# Altium PCB KlusterLab r2.0.PcbDoc (part 20 of 22)
Units mm, origin at the board's own origin, x right, y up, seen from the top; angles counter-clockwise.
Board outline 232 x 250 mm, 12 copper layers (L1 Top, L2 Inner1 (GND), L3 Inner2 (Sig), L4 Inner3 (GND), L5 Inner4 (PWR), L6 Inner5 (PWR), L7 Inner6 (PWR), L8 Inner7 (PWR), L9 Inner8 (GND), L10 Inner9 (Sig), L11 Inner10 (GND), L12 Bottom), stack 1.614 mm thick; 1169 components, 852 nets, 4679 pads, 5115 vias.
Unrouted connection lines stored in the file: 1.
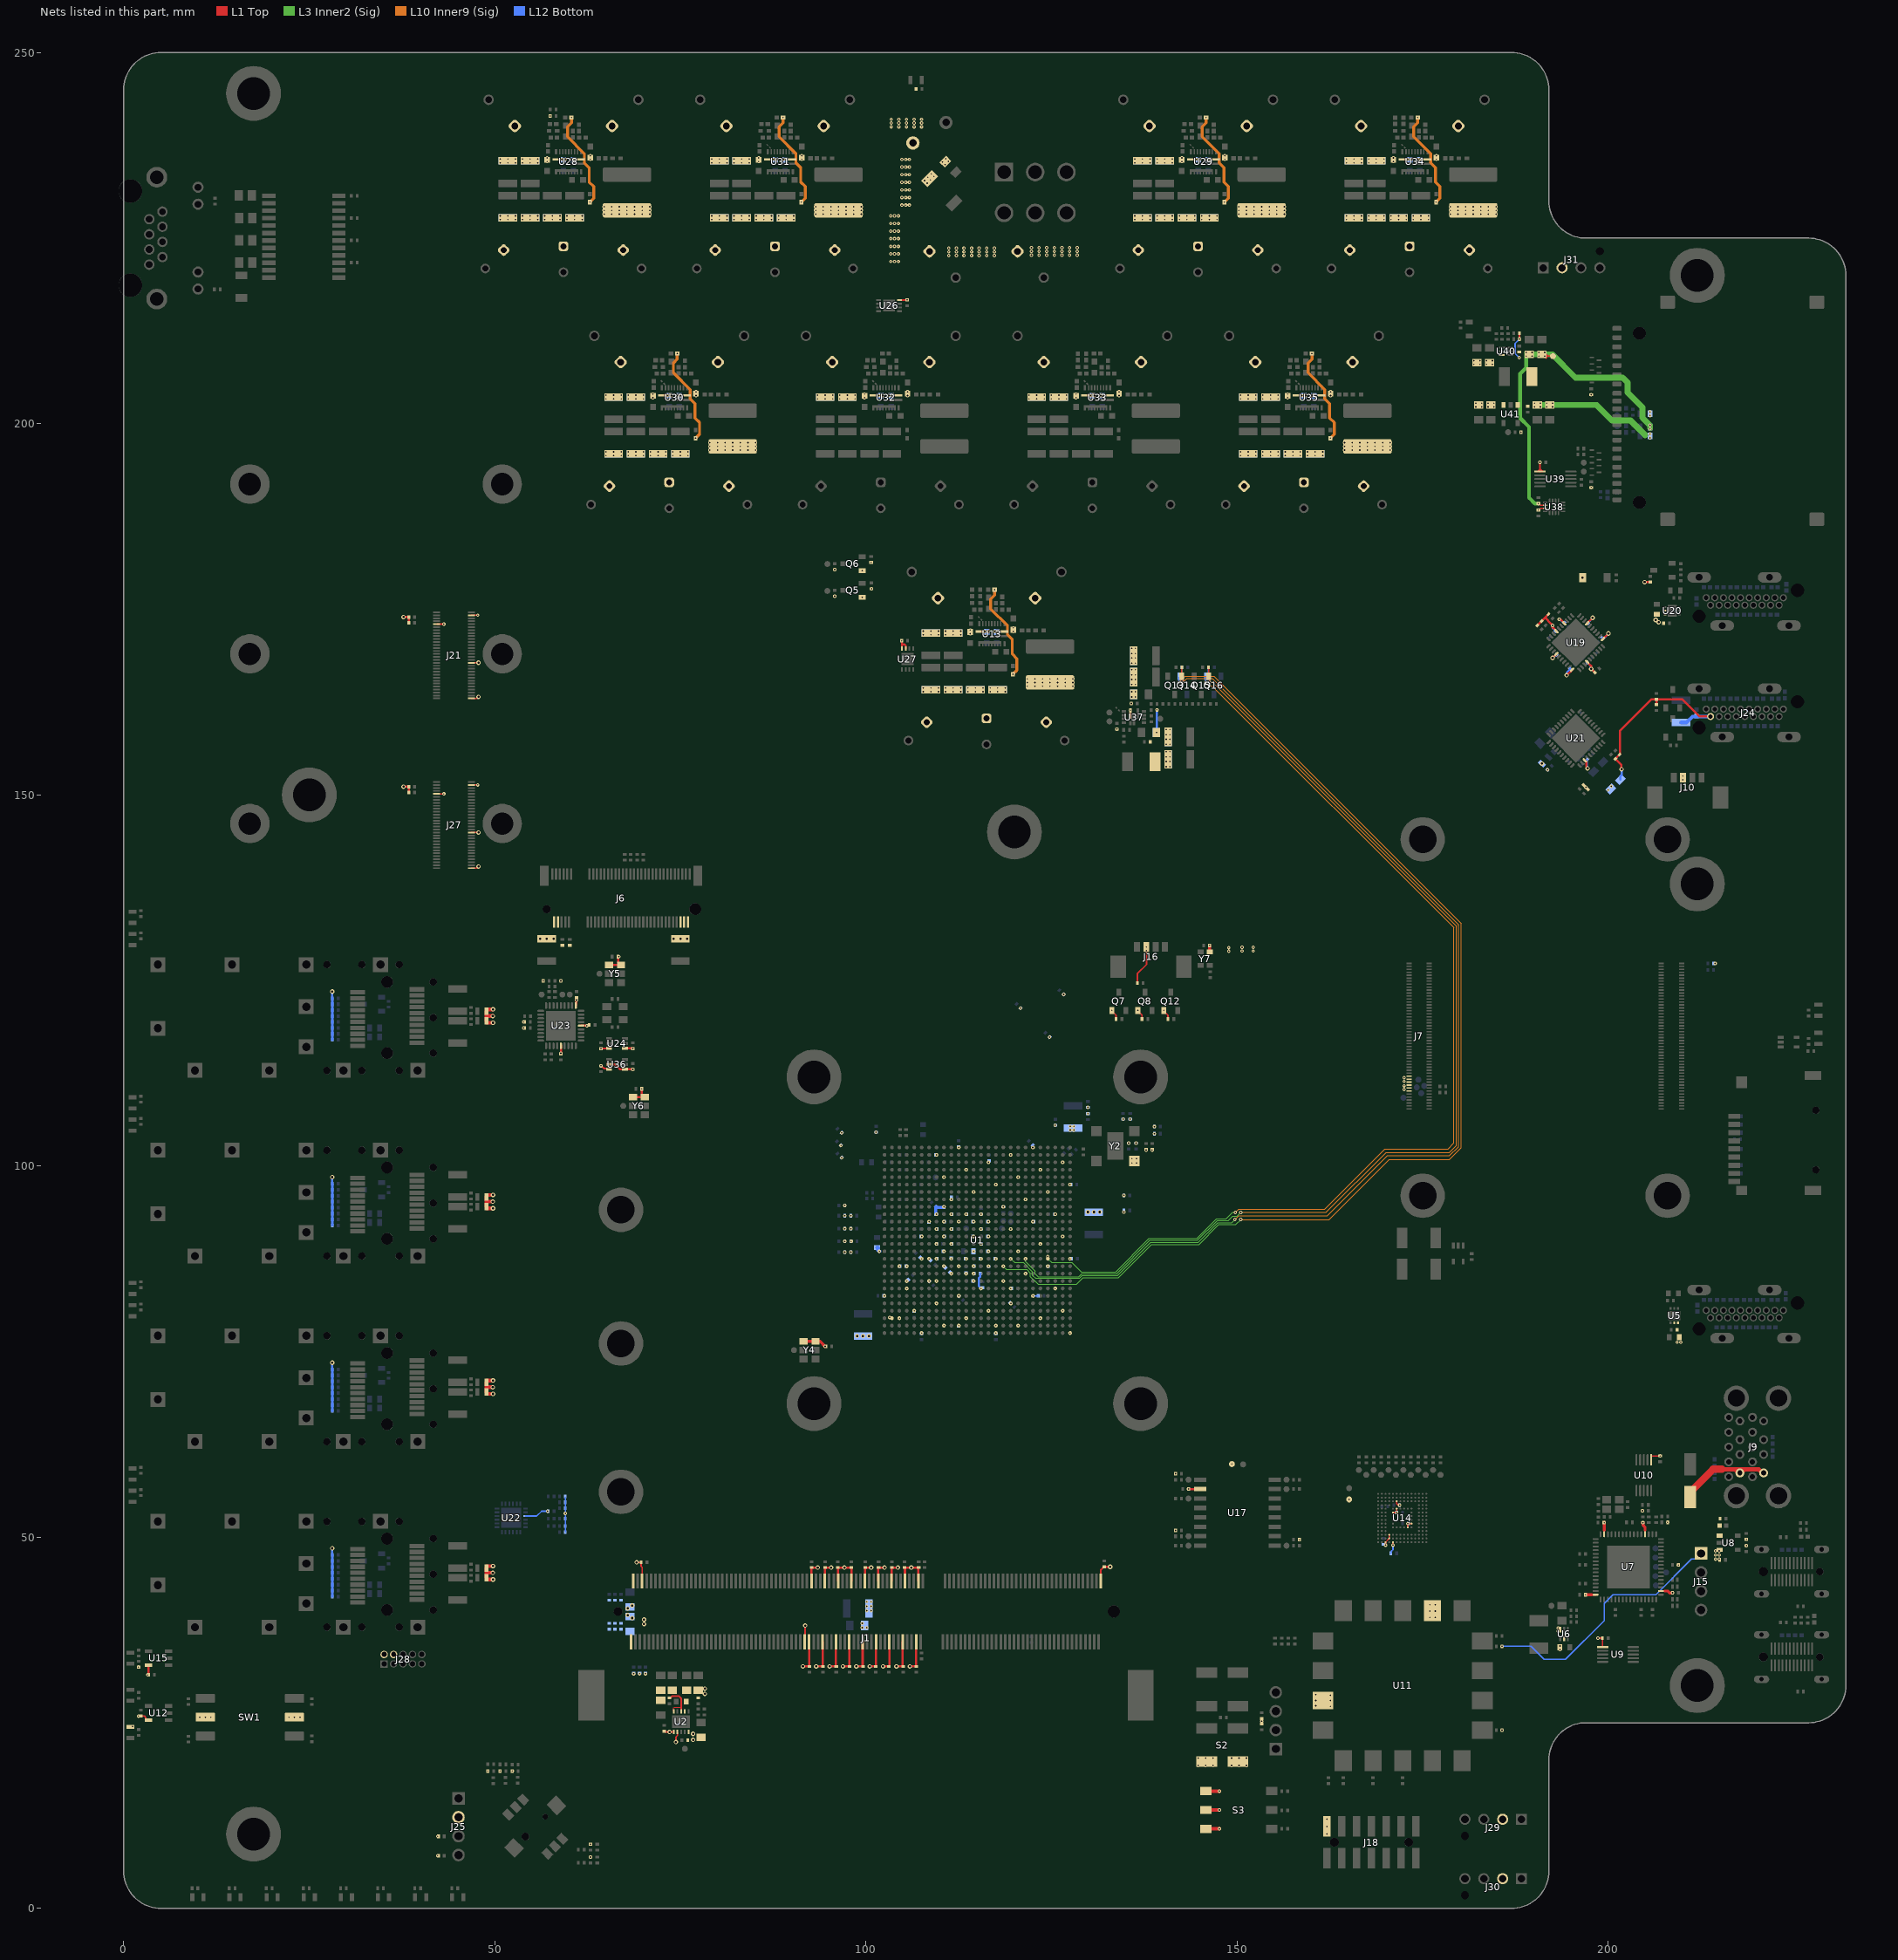
[diagram p30: the nets of this part, all layers, seen from the top]

## Via types
v1: diameter 0.45, hole 0.2, L1 Top to L12 Bottom, tented both sides, 4200 vias
v2: diameter 0.6, hole 0.3, L1 Top to L12 Bottom, tented both sides, 908 vias
v3: diameter 0.4, hole 0.2, L1 Top to L12 Bottom, tented both sides, 7 vias

## Nets (pads, with @x,y where several pads share a name; then routed paths per layer and width w, separated by ;. In a path a pad name is that pad's centre, name@x,y a point inside that pad or via, vN(x,y) a via of type N, cw(c..) or ccw(c..) an arc to the next point about the centre after c; other vN are vias at no path point) (continued)
VCC1V0_FPGA: C71.1 C72.1 C73.1 C74.1 C75.1 C107.1 C108.1 C109.1 C110.1 C120.1 C121.1 C122.1 C123.1 C124.1 C125.1 C126.1 C127.1 C128.1 C129.1 C130.1 C131.1 C132.1 C133.1 C134.1 C135.1 C136.1 C137.1 C138.1 C139.1 C140.1 C141.1 C142.1 C144.1 C145.1 C146.1 C149.1 C150.1 C151.1 C152.1 C153.1 C200.1 C201.1 C202.1 C203.1 C204.1 C209.1 C210.1 C211.1 C213.1 C220.1 C221.1 C222.1 C224.1 C228.1 C229.1 C230.1 C232.1 C260.1 C264.1 C265.1 L10.2 R289.2 U1.J9 U1.K8 U1.K10 U1.K12 U1.K14 U1.L9 U1.L13 U1.L15 U1.M8 U1.M14 U1.N9 U1.N13 U1.N15 U1.P14 U1.R13 U1.R15 U1.T12 U1.T14 U1.U13 U1.U15 | length 15.6
  L10 Inner9 (Sig) w0.4: v1(117.325,177.65) 117.325,176.913 116.8,176.388 116.8,175.05 119.061,172.789 119.061,171.555 119.709,170.908 119.709,168.966 120.325,168.35 120.325,166.775 v1(119.8,166.25)
  L12 Bottom w0.4: v1(109.5,93.5) 109.5,93.588 109.395,93.693 109.395,94.507 109.438,94.549 109.452,94.549 109.584,94.417 110.417,94.417 v1(110.5,94.5)
  other v1: 114.5,86.5 116.5,86.5 113.5,87.5 115.5,87.5 97.145,88.4 97.955,88.4 114.5,88.5 116.5,88.5 115.5,89.5 97.145,89.85 98.005,89.85 110.5,90.5 114.5,90.5 116.5,90.5 109.5,91.5 115.5,91.5 97.145,91.55 97.955,91.55 110.5,92.5 114.5,92.5 116.5,92.5 97.145,93.3 97.955,93.3 111.5,93.5 113.5,93.5 115.5,93.5 134.755,93.8 97.145,94.7 134.755,96.05 96.729,101.121 96.629,102.771 135.4,103.095 136.4,103.095 138.855,104.35 96.729,104.471 101.35,104.555 138.855,105.3 125.5,105.505 134.65,106.305 135.6,106.305 129.9,107.045 129.9,107.905 124.729,117.371 120.829,121.271 126.629,123.121 107.725,163.9 108.75,163.9 109.775,163.9 110.725,163.9 111.75,163.9 112.775,163.9 113.725,163.9 114.75,163.9 115.775,163.9 116.725,163.9 117.75,163.9 118.775,163.9 107.725,164.4 108.75,164.4 109.775,164.4 110.725,164.4 111.75,164.4 112.775,164.4 113.725,164.4 114.75,164.4 115.775,164.4 116.725,164.4 117.75,164.4 118.775,164.4 121.725,164.64 122.75,164.64 123.775,164.64 124.8,164.64 125.825,164.64 126.85,164.64 127.875,164.64 121.725,165.14 122.75,165.14 123.775,165.14 124.8,165.14 125.825,165.14 126.85,165.14 127.875,165.14 121.725,165.64 122.75,165.64 123.775,165.64 124.8,165.64 125.825,165.64 126.85,165.64 127.875,165.64
VCC1V5: C6.1 C7.1 C8.1 C18.1 C19.1 C21.1 C22.1 C23.1 C24.1 C25.1 C26.1 C27.1 C28.1 C29.1 C30.1 C31.1 C32.1 C33.1 C34.1 C35.1 C36.1 C37.1 C38.1 C39.1 C57.1 C58.1 C59.1 C212.1 C223.1 C231.1 C245.1 C253.1 C254.1 C271.1 C272.1 C274.1 C371.1 C372.1 C373.1 C374.1 C375.1 C378.1 C379.1 C380.1 C381.1 C383.1 C384.1 C385.1 J1.75 J1.76 J1.81 J1.82 J1.87 J1.88 J1.93 J1.94 J1.99 J1.100 J1.105 J1.106 J1.111 J1.112 J1.117 J1.118 J1.123 J1.124 L15.2 R2.1 R3.2 R6.2 R8.2 R14.2 R245.2 U1.AA1 U1.AA11 U1.AB8 U1.AB18 U1.AC5 U1.AC15 U1.AD2 U1.AD12 U1.AE9 U1.AE19 U1.AF6 U1.AF16 U1.U3 U1.V10 U1.W7 U1.W17 U1.Y4 U1.Y14 U2.2 | length 76.6
  L1 Top w0.3: v2(91.5,32.6) 91.502,32.598 92.297,32.598 92.3,32.595 92.31,32.595 92.35,32.635 J1.124@92.35,35.9 ; J1.123@92.65,44.1 92.65,45.865 92.69,45.905 C34.1@92.7,45.905 92.703,45.903 93.498,45.903 v2(93.5,45.9) ; v2(93.3,32.6) 93.302,32.598 94.097,32.598 94.1,32.595 94.11,32.595 94.15,32.635 J1.118@94.15,35.9 ; J1.117@94.45,44.1 94.45,45.865 94.49,45.905 C33.1@94.5,45.905 94.503,45.903 95.298,45.903 v2(95.3,45.9) ; v2(95.1,32.6) 95.102,32.598 95.897,32.598 95.9,32.595 95.91,32.595 95.95,32.635 J1.112@95.95,35.9 ; J1.111@96.25,44.1 96.25,45.865 96.29,45.905 96.3,45.905 96.303,45.903 97.098,45.903 v2(97.1,45.9) 97.103,45.903 97.998,45.903 C35.1@98,45.905 ; v2(96.9,32.6) 96.902,32.598 97.697,32.598 97.7,32.595 97.71,32.595 97.75,32.635 J1.106@97.75,35.9 ; J1.105@98.05,44.1 C35.1@98.05,45.865 ; v2(98.7,32.6) 98.703,32.598 99.497,32.598 99.5,32.595 99.51,32.595 99.55,32.635 J1.100@99.55,35.9 ; J1.99@99.85,44.1 99.85,45.865 99.887,45.903 100.7,45.903 v2(100.702,45.9) ; v2(100.5,32.6) 100.502,32.598 101.297,32.598 C32.1@101.3,32.595 101.31,32.595 101.35,32.635 J1.94@101.35,35.9 ; J1.93@101.65,44.1 101.65,45.865 101.687,45.903 102.5,45.903 v2(102.502,45.9) ; v2(102.3,32.6) 102.302,32.598 103.097,32.598 C29.1@103.1,32.595 103.11,32.595 103.15,32.635 J1.88@103.15,35.9 ; J1.87@103.45,44.1 103.45,45.865 103.488,45.903 104.3,45.903 v2(104.302,45.9) ; v2(104.1,32.6) 104.103,32.598 104.897,32.598 104.9,32.595 104.91,32.595 104.95,32.635 J1.82@104.95,35.9 ; J1.81@105.25,44.1 105.25,45.865 105.29,45.905 105.3,45.905 105.303,45.903 106.098,45.903 v2(106.1,45.9) 106.103,45.903 C18.1@107.088,45.903 ; v2(105.9,32.6) 105.903,32.598 106.697,32.598 106.7,32.595 106.71,32.595 106.75,32.635 J1.76@106.75,35.9 ; J1.75@107.05,44.1 107.05,45.865 C18.1@107.088,45.903 ; C18.1@107.1,45.905 107.098,45.903 C18.1@107.088,45.903
  L10 Inner9 (Sig) w0.4: v1(88.825,241.25) 88.825,240.513 88.3,239.988 88.3,238.65 90.561,236.389 90.561,235.155 91.209,234.508 91.209,232.566 91.825,231.95 91.825,230.375 v1(91.3,229.85)
  L12 Bottom w0.3: R3.2@115.395,85.5 115.364,85.469 115.364,85.064 115.2,84.9 115.2,83.849 115.5,83.548 v1(115.5,83.5)
  other v1: 70.3,31.6 99.5,37.8 100.1,37.8 99.5,38.398 100.1,40.1 100.7,40.1 100.1,40.7 100.7,40.7 100.1,41.3 100.698,41.3 107.5,77.5 117.5,77.5 110.5,78.5 120.5,78.5 113.5,79.5 103.2,79.602 106.5,80.5 116.5,80.5 119.521,81.479 109.498,81.5 102.5,82.5 112.524,82.524 105.5,83.5 108.5,84.5 118.5,84.5 111.5,85.498 104.5,86.5 79.225,227.5 80.25,227.5 81.275,227.5 82.225,227.5 83.25,227.5 84.275,227.5 85.225,227.5 86.25,227.5 87.275,227.5 88.225,227.5 89.25,227.5 90.275,227.5 79.225,228 80.25,228 81.275,228 82.225,228 83.25,228 84.275,228 85.225,228 86.25,228 87.275,228 88.225,228 89.25,228 90.275,228 93.225,228.24 94.25,228.24 95.275,228.24 96.3,228.24 97.325,228.24 98.35,228.24 99.375,228.24 93.225,228.74 94.25,228.74 95.275,228.74 96.3,228.74 97.325,228.74 98.35,228.74 99.375,228.74 93.225,229.24 94.25,229.24 95.275,229.24 96.3,229.24 97.325,229.24 98.35,229.24 99.375,229.24
  other v2: 78.3,28.9 78.3,29.6 70.1,38.3 70.1,38.9 98.8,77.1 99.6,77.1 100.4,77.1
VCC1V8: C147.1 C154.1 C156.1 C159.1 C163.2 C185.1 C195.2 C197.2 C198.2 C199.2 C219.1 C226.1 C227.1 C234.1 C235.1 C236.1 C243.1 C244.1 C249.1 C317.1 C318.1 C319.1 C320.1 C321.1 C324.1 C325.1 C326.1 C327.1 C329.1 C330.1 C331.1 C503.2 C525.1 J18.2 J28.2 L12.2 Q5.1 Q6.1 R88.2 R90.2 R94.1 R95.1 R103.1 R139.2 R140.2 R141.2 R175.2 R179.2 R180.2 R183.2 R187.2 R197.2 R198.2 R199.2 R200.2 R201.2 R202.2 R224.2 R337.1 R338.1 R347.1 R348.1 S2.1 S2.3 S3.14 S3.24 S3.34 SW1.C TP51.1 TP60.1 U1.A21 U1.AA21 U1.AC25 U1.AD22 U1.AF26 U1.C25 U1.D22 U1.F26 U1.G23 U1.L7 U1.L21 U1.T6 U1.U23 U1.V20 U1.Y24 U11.8 U14.C6 U14.M4 U14.N4 U14.P3 U14.P5 U17.2 U22.21 U24.1 U36.1 U36.5 U38.15 Y2.4 Y4.1 Y4.6 Y5.1 Y5.6 Y6.1 Y6.6 Y7.4 | length 49.5
  L1 Top w0.2: R94.1@153.3,24.845 R95.1@153.3,25.555 ; v1(169.995,48.929) U14.P3@169.995,49.329 U14.N4@170.495,49.829 U14.M4@170.495,50.329 ; v1(170.995,48.929) U14.P5@170.995,49.329 ; U14.C6@171.495,54.829 171.495,54.506 171.624,54.377 171.847,54.377 v1(171.895,54.329) ; v1(190.593,188.376) 190.643,188.376 190.733,188.466 190.733,188.483 190.85,188.6 U38.15@191.5,188.6 ; C525.1@190.593,188.364 C525.1@190.643,188.364
  L1 Top w0.3: U36.5@65.375,113.7 66.2,113.7 66.85,113.05 U36.1@67.525,113.05 68.505,113.05 68.548,113.007 v1(68.6,113.007) ; Y5.1@65.4,127.1 66.8,127.1 66.8,127.2 66.595,127.405 C198.2@66.595,128.2 ; U24.1@67.525,115.85 68.505,115.85 68.55,115.805 v1(68.6,115.807) ; Y6.1@68.6,109.3 70,109.3 70,109.4 69.8,109.6 69.8,110.395 v1(69.795,110.4) ; v1(143.457,56.487) 143.47,56.475 U17.2@145.05,56.475
  L1 Top w0.4: Y4.1@91.6,76.4 93.8,76.4 v1(94.5,75.7) ; C219.1@146.294,129.679 146.294,128.879 Y7.4@146.338,128.835
  L1 Top w0.5: S3.14@145.685,10.8 S3.14@145.775,10.71 v1(147.61,10.71) ; S3.24@145.685,13.34 S3.24@145.775,13.25 v1(147.61,13.25) ; S3.34@145.685,15.88 S3.34@145.775,15.79 v1(147.61,15.79)
  L10 Inner9 (Sig) w0.4: v1(145.825,241.25) 145.825,240.513 145.3,239.988 145.3,238.65 147.561,236.389 147.561,235.155 148.209,234.508 148.209,232.566 148.825,231.95 148.825,230.375 v1(148.3,229.85)
  L12 Bottom w0.2: U22.21@54.113,52.85 55.65,52.85 56.3,53.5 C185.1@57.205,53.5 ; R199.2@59.495,50.7 59.498,50.703 R202.2@59.498,55.398 ; v1(122.475,102.5) 122.444,102.531 122.444,102.785 C243.1@122.479,102.821 ; v1(122.5,82.5) C227.1@123.205,82.5 ; C154.1@170.7,47.829 170.79,47.919 170.79,48.124 170.995,48.329 v1(170.995,48.929)
  other v1: 62.9,6.895 62.9,8.645 162.1,10.025 162.1,11.025 162.1,12.025 49.055,18.5 50.705,18.495 52.355,18.5 144.75,19.25 145.75,19.25 146.75,19.25 149.25,19.25 150.25,19.25 151.25,19.25 144.75,20.25 145.75,20.25 146.75,20.25 149.25,20.25 150.25,20.25 151.25,20.25 153.3,25.2 10.25,25.75 11,25.75 11.75,25.75 22.25,25.75 23,25.75 23.75,25.75 162.55,27.2 160.6,27.3 160.6,28 162.55,28 162.55,28.7 160.6,28.8 158.392,49.658 141.705,50.9 59.498,53.2 57.1,53.5 165.089,55.086 141.705,58.55 149.288,59.862 127.502,77.5 123.5,79.5 126.5,80.5 125.5,83.5 121.5,85.5 124.5,86.5 107.5,87.498 108.5,92.5 122.504,92.5 124.5,96.5 127.5,97.5 123.5,99.5 135.84,100.4 136.44,100.4 126.5,100.5 135.84,101 136.44,101 137.75,102.145 138.55,102.145 66.7,128.2 146.295,129.719 99.485,176.602 100.75,177.757 99.485,180.202 100.7,181.307 197.7,191.405 188.245,198.85 205.625,201.1 205.625,201.6 197.7,203.905 136.225,227.5 137.25,227.5 138.275,227.5 139.225,227.5 140.25,227.5 141.275,227.5 142.225,227.5 143.25,227.5 144.275,227.5 145.225,227.5 146.25,227.5 147.275,227.5 136.225,228 137.25,228 138.275,228 139.225,228 140.25,228 141.275,228 142.225,228 143.25,228 144.275,228 145.225,228 146.25,228 147.275,228 150.225,228.24 151.25,228.24 152.275,228.24 153.3,228.24 154.325,228.24 155.35,228.24 156.375,228.24 150.225,228.74 151.25,228.74 152.275,228.74 153.3,228.74 154.325,228.74 155.35,228.74 156.375,228.74 150.225,229.24 151.25,229.24 152.275,229.24 153.3,229.24 154.325,229.24 155.35,229.24 156.375,229.24
  other v2: 129.9,93.8 130.7,93.8 131.5,93.8
VCC1V8_AUX: C214.1 C215.1 C216.1 C233.1 C246.1 C269.1 C344.1 C345.1 C346.1 C347.1 C348.1 C351.1 C352.1 C353.1 C354.1 C356.1 C357.1 C358.1 C421.1 C422.1 L14.2 R237.2 U1.L11 U1.M10 U1.N6 U1.P8 U1.P10 U1.R9 U1.T8 U1.T10 U1.U11 | length 14
  L10 Inner9 (Sig) w0.4: v1(74.575,209.45) 74.575,208.713 74.05,208.188 74.05,206.85 76.311,204.589 76.311,203.355 76.959,202.708 76.959,200.766 77.575,200.15 77.575,198.575 v1(77.05,198.05)
  L12 Bottom w0.5: C246.1@101.5,89.025 101.585,89.025 101.65,88.96 101.65,88.65 v1(101.8,88.5)
  other v1: 112.5,86.5 109.5,87.5 111.5,87.5 110.5,88.5 109.5,89.5 111.5,89.5 107.5,90.5 111.5,91.5 112.5,92.5 64.975,195.7 66,195.7 67.025,195.7 67.975,195.7 69,195.7 70.025,195.7 70.975,195.7 72,195.7 73.025,195.7 73.975,195.7 75,195.7 76.025,195.7 64.975,196.2 66,196.2 67.025,196.2 67.975,196.2 69,196.2 70.025,196.2 70.975,196.2 72,196.2 73.025,196.2 73.975,196.2 75,196.2 76.025,196.2 78.975,196.44 80,196.44 81.025,196.44 82.05,196.44 83.075,196.44 84.1,196.44 85.125,196.44 78.975,196.94 80,196.94 81.025,196.94 82.05,196.94 83.075,196.94 84.1,196.94 85.125,196.94 78.975,197.44 80,197.44 81.025,197.44 82.05,197.44 83.075,197.44 84.1,197.44 85.125,197.44
VCC2V5: C459.1 C460.1 C461.1 C462.1 C463.1 C466.1 C467.1 C468.1 C469.1 C471.1 C472.1 C473.1 L18.2 R309.2 U2.7 | length 14.7
  L1 Top w0.2: v2(74.4,22.4) 74.4,23.1 74.6,23.3 U2.7@74.6,23.75
  L10 Inner9 (Sig) w0.4: v1(174.325,241.25) 174.325,240.513 173.8,239.988 173.8,238.65 176.061,236.389 176.061,235.155 176.709,234.508 176.709,232.566 177.325,231.95 177.325,230.375 v1(176.8,229.85)
  other v1: 164.725,227.5 165.75,227.5 166.775,227.5 167.725,227.5 168.75,227.5 169.775,227.5 170.725,227.5 171.75,227.5 172.775,227.5 173.725,227.5 174.75,227.5 175.775,227.5 164.725,228 165.75,228 166.775,228 167.725,228 168.75,228 169.775,228 170.725,228 171.75,228 172.775,228 173.725,228 174.75,228 175.775,228 178.725,228.24 179.75,228.24 180.775,228.24 181.8,228.24 182.825,228.24 183.85,228.24 184.875,228.24 178.725,228.74 179.75,228.74 180.775,228.74 181.8,228.74 182.825,228.74 183.85,228.74 184.875,228.74 178.725,229.24 179.75,229.24 180.775,229.24 181.8,229.24 182.825,229.24 183.85,229.24 184.875,229.24
VCC3V3: C4.1 C5.2 C15.2 C17.1 C20.1 C41.1 C42.1 C43.1 C103.2 C104.2 C118.1 C143.1 C148.1 C155.2 C157.1 C158.2 C167.1 C168.1 C169.1 C170.1 C171.1 C172.1 C173.1 C183.1 C186.2 C187.2 C188.2 C194.2 C205.1 C207.1 C208.1 C225.1 C250.2 C252.2 C486.1 C487.1 C488.1 C489.1 C490.1 C493.1 C494.1 C495.1 C496.1 C498.1 C499.1 C500.1 C502.2 C524.1 C536.1 C537.1 D29.2 D37.2 J1.199 J6.2 J6.4 J6.70 J6.72 J6.74 J21.4 J21.9 J25.2 J27.4 J27.9 J28.4 L1.1 L2.1 L3.1 L4.1 L5.1 L6.1 L7.1 L8.1 L13.1 L19.2 R12.2 R13.2 R20.2 R21.2 R22.2 R23.2 R24.2 R25.2 R29.2 R30.2 R31.2 R32.2 R33.2 R34.2 R35.2 R36.2 R40.2 R41.2 R42.2 R43.2 R44.2 R45.2 R46.2 R47.2 R51.2 R52.2 R53.2 R54.2 R55.2 R56.2 R57.2 R58.2 R62.2 R63.2 R64.1 R65.1 R69.2 R74.1 R75.2 R86.1 R87.2 R89.2 R96.1 R107.2 R133.1 R155.2 R158.1 R159.1 R160.1 R163.1 R164.1 R168.2 R169.2 R173.2 R174.2 R208.2 R209.2 R230.1 R231.1 R283.2 R284.2 R285.2 R286.2 R317.2 R324.1 U1.K24 U1.N25 U1.P22 U1.R19 U1.T16 U1.T26 U2.10 U6.3 U6.5 U7.16 U7.34 U7.52 U7.63 U9.1 U10.1 U12.5 U14.E6 U14.F5 U14.J10 U14.K9 U15.5 U19.4 U19.11 U19.17 U19.24 U19.27 U19.34 U19.40 U21.33 U23.5 U23.10 U23.32 U24.6 U26.8 U27.7 U27.8 U36.6 U39.1 U41.3 | length 112.3
  L1 Top w0.2: C148.1@2.3,25.905 2.795,25.905 2.95,25.75 2.95,25.5 3.1,25.35 U12.5@3.35,25.35 ; C157.1@3.276,31.579 C157.1@3.35,31.653 ; J27.9@42.165,150.13 v1(43.13,150.13) ; J21.9@42.165,172.99 v1(43.13,172.99) ; J21.4@46.835,174.19 46.84,174.195 47.695,174.195 v1(47.7,174.2) ; J27.4@46.84,151.335 v1@47.695,151.335 ; v2(69.1,46.6) C15.2@69.705,46.6 69.7,46.595 69.7,46.1 69.85,45.95 J1.199@69.85,44.1 ; U14.F5@170.995,53.329 v1(171.495,53.329) U14.E6@171.495,53.829 ; U14.K9@172.995,51.329 172.997,51.331 172.997,51.816 v1(172.999,51.818) ; v1@173.005,51.819 173.009,51.824 173.49,51.824 U14.J10@173.495,51.829 ; v1(198.6,36.4) C143.1@199.21,36.4 199.21,35.223 U9.1@199.233,35.2 ; U10.1@205.786,60.416 205.786,60.918 205.813,60.945 v1(206.986,60.945)
  L1 Top w0.25: v1(64.3,113.497) 64.348,113.497 64.72,113.125 65.3,113.125 U36.6@65.375,113.05 ; v1(64.3,115.807) 64.322,115.828 65.352,115.828 U24.6@65.375,115.85 ; U26.8@104.512,216.65 105.505,216.65 v1(105.55,216.695) ; v1(104.805,170.75) 104.85,170.705 104.85,170.262 ; U27.8@104.85,169.713 104.85,170.262 ; U27.7@105.35,169.713 105.35,170.116 105.204,170.262 104.85,170.262 ; U39.1@190.515,193.584 190.805,193.873 ; C524.1@190.801,194.804 v1(190.805,194.8) 190.805,193.873 ; 190.805,193.9 190.805,193.873 ; U39.1@190.816,193.549 U39.1@190.817,193.55 190.806,193.55 190.805,193.551 190.805,193.873 ; U39.1@191.095,193.584 190.805,193.873 ; 197.75,42.25 U7.16@198.3,42.25 ; U7.63@199.45,50.4 199.45,50.95 ; U7.52@204.95,50.4 204.95,50.95 ; U7.34@207.1,42.75 207.65,42.75
  L1 Top w0.3: v1(3.215,31.45) C157.1@3.35,31.585 ; C157.1@3.35,31.54 U15.5@3.35,32.75 ; v2(37.7,151.1) 38.395,151.1 R284.2@38.4,151.105 ; v2(37.7,173.96) 38.395,173.96 R283.2@38.4,173.965 ; R286.2@38.395,150.3 38.4,150.305 R284.2@38.4,151.105 ; R285.2@38.395,173.16 38.4,173.165 38.4,173.96 R283.2@38.4,173.965 ; R284.2@38.402,151.108 R284.2@38.4,151.105 ; R283.2@38.402,173.968 R283.2@38.4,173.965 ; C186.2@58.9,115.095 U23.32@58.9,116.19 ; U23.10@60.9,121.61 60.9,121.91 61,122.01 C188.2@61,122.705 ; U23.5@61.61,118.9 62.655,118.9 62.705,118.95 C187.2@62.705,119 ; R158.1@190.458,172.842 R159.1@191.024,173.408 191.484,173.868 ; R163.1@191.943,174.327 191.484,173.868 ; v2(192.497,168.454) U19.34@193.015,168.971 ; U19.27@193.015,172.054 192.497,172.571 v1(192.497,172.835) 192.347,172.985 192.347,173.004 191.484,173.868 ; v1(193.397,173.654) 193.536,173.654 U19.24@194.075,173.115 ; v2(194.397,166.11) U19.40@195.136,166.85 ; R169.2@196.677,151.333 R168.2@197.277,150.733 ; U21.33@196.839,154.657 197.036,154.46 197.036,153.815 197.206,153.644 v2(197.206,153.563) ; U19.4@197.158,167.91 197.684,167.385 197.684,166.968 v2(197.697,166.954) 197.718,166.954 198.197,166.475 R160.1@198.218,166.475 ; U19.17@197.158,173.115 v2(197.897,173.854) ; U19.11@199.28,170.993 v2(200.019,171.733) ; v2(204.897,178.654) 204.9,178.656 205.655,178.656 R155.2@205.657,178.659
  L1 Top w0.4: v1(196.945,42.25) 197.75,42.25 ; 199.455,50.955 C43.1@199.455,52 ; v1(204.65,51.955) 204.68,51.955 204.69,51.945 204.69,51.619 204.95,51.359 204.95,50.95 ; 207.65,42.75 208,42.75 208.25,42.5 v1(208.655,42.5)
  L1 Top w0.5: L1.1@48.875,44.55 48.875,45.2 ; L2.1@48.875,45.85 48.875,45.2 ; L3.1@48.875,69.55 48.875,70.2 ; L4.1@48.875,70.85 48.875,70.2 ; L5.1@48.875,94.55 48.875,95.2 ; L6.1@48.875,95.85 48.875,95.2 ; L7.1@48.875,119.55 48.875,120.2 ; L8.1@48.875,120.85 48.875,120.2 ; L1.1@48.9,44.3 v2(49.755,44.3) ; L2.1@48.9,46.1 v2(49.755,46.1) ; L3.1@48.9,69.3 v2(49.755,69.3) ; L4.1@48.9,71.1 v2(49.755,71.1) ; L5.1@48.9,94.3 v2(49.755,94.3) ; L6.1@48.9,96.1 v2(49.755,96.1) ; L7.1@48.9,119.3 v2(49.755,119.3) ; L8.1@48.9,121.1 v2(49.755,121.1) ; v2(49.73,45.2) 48.875,45.2 ; v2(49.73,70.2) 48.875,70.2 ; v2(49.73,95.2) 48.875,95.2 ; v2(49.73,120.2) 48.875,120.2
  L10 Inner9 (Sig) w0.4: v1(160.075,209.45) 160.075,208.713 159.55,208.188 159.55,206.85 161.811,204.589 161.811,203.355 162.459,202.708 162.459,200.766 163.075,200.15 163.075,198.575 v1(162.55,198.05)
  L12 Bottom w0.3: v2(28.1,48.5) 28.103,48.498 28.103,47.603 R20.2@28.105,47.6 R21.2@28.105,46.8 R22.2@28.105,46 R23.2@28.105,45.2 R24.2@28.105,44.4 R25.2@28.105,43.6 R30.2@28.105,42.8 R29.2@28.105,42 ; v2(28.1,73.5) 28.103,73.497 28.103,72.603 R31.2@28.105,72.6 R32.2@28.105,71.8 R33.2@28.105,71 R34.2@28.105,70.2 R35.2@28.105,69.4 R36.2@28.105,68.6 R41.2@28.105,67.8 R40.2@28.105,67 ; v2(28.1,98.5) 28.103,98.498 28.103,97.603 R42.2@28.105,97.6 R43.2@28.105,96.8 R44.2@28.105,96 R45.2@28.105,95.2 R46.2@28.105,94.4 R47.2@28.105,93.6 R52.2@28.105,92.8 R51.2@28.105,92 ; v2(28.1,123.5) 28.103,123.498 28.103,122.603 R53.2@28.105,122.6 R54.2@28.105,121.8 R55.2@28.105,121 R56.2@28.105,120.2 R57.2@28.105,119.4 R58.2@28.105,118.6 R63.2@28.105,117.8 R62.2@28.105,117 ; v2(192.497,168.454) 192.533,168.454 192.969,168.89 C172.1@193.004,168.89 ; v1@192.497,172.754 192.555,172.697 192.555,172.443 C167.1@192.933,172.065 ; v1(193.397,173.654) 193.479,173.654 193.94,173.192 193.976,173.157 194.033,173.157 C168.1@194.068,173.192 ; v2(194.397,166.11) 194.454,166.168 194.454,166.511 C173.1@194.898,166.954 ; C183.1@197.132,154.717 197.097,154.682 197.097,154.625 197.132,154.59 197.132,153.849 197.149,153.832 197.149,153.62 v2(197.206,153.563) ; C169.1@197.169,167.829 197.64,167.358 197.64,167.011 v2(197.697,166.954) ; C170.1@197.24,173.125 197.232,173.132 197.232,173.189 v2(197.897,173.854) ; C171.1@199.219,171.145 199.255,171.11 199.311,171.11 199.347,171.145 199.432,171.145 v2(200.019,171.733)
  other v1: 42.3,7.1 42.3,9.7 185.695,24 1.2,24.5 2,25.9 68.7,31.6 69.5,31.6 2,32.505 193.5,34.85 193.5,35.35 193.25,37.35 193.25,37.75 209.44,46.25 218.6,48.845 218.6,49.705 199.445,51.95 204.605,53.55 117.5,87.5 127.5,87.5 120.5,88.5 123.5,89.5 126.5,90.5 125.515,93.515 127.529,104.85 128,104.85 127.529,105.35 128,105.35 58.9,115.2 53.875,118.6 62.4,118.9 53.875,119.4 61,122.357 56.505,124.95 58.895,124.95 214.4,127.3 196.977,151.033 47.7,151.34 191.821,153.371 133.8,158.855 95.802,176.755 95.802,180.35 150.475,195.7 151.5,195.7 152.525,195.7 153.475,195.7 154.5,195.7 155.525,195.7 156.475,195.7 157.5,195.7 158.525,195.7 159.475,195.7 160.5,195.7 161.525,195.7 150.475,196.2 151.5,196.2 152.525,196.2 153.475,196.2 154.5,196.2 155.525,196.2 156.475,196.2 157.5,196.2 158.525,196.2 159.475,196.2 160.5,196.2 161.525,196.2 164.475,196.44 165.5,196.44 166.525,196.44 167.55,196.44 168.575,196.44 169.6,196.44 170.625,196.44 164.475,196.94 165.5,196.94 166.525,196.94 167.55,196.94 168.575,196.94 169.6,196.94 170.625,196.94 164.475,197.44 165.5,197.44 166.525,197.44 167.55,197.44 168.575,197.44 169.6,197.44 170.625,197.44 182.15,202.25 182.95,202.25 183.8,202.25 184.6,202.25 182.15,202.75 182.95,202.75 183.8,202.75 184.6,202.75
  other v2: 76.7,22.7 76.7,23.5 57,130.6 75,130.6 56.1,130.625 57.9,130.625 74.1,130.625 75.9,130.625 191.056,154.212 196.547,179.254